# KiCad board ClockIOT.kicad_pcb (continued)
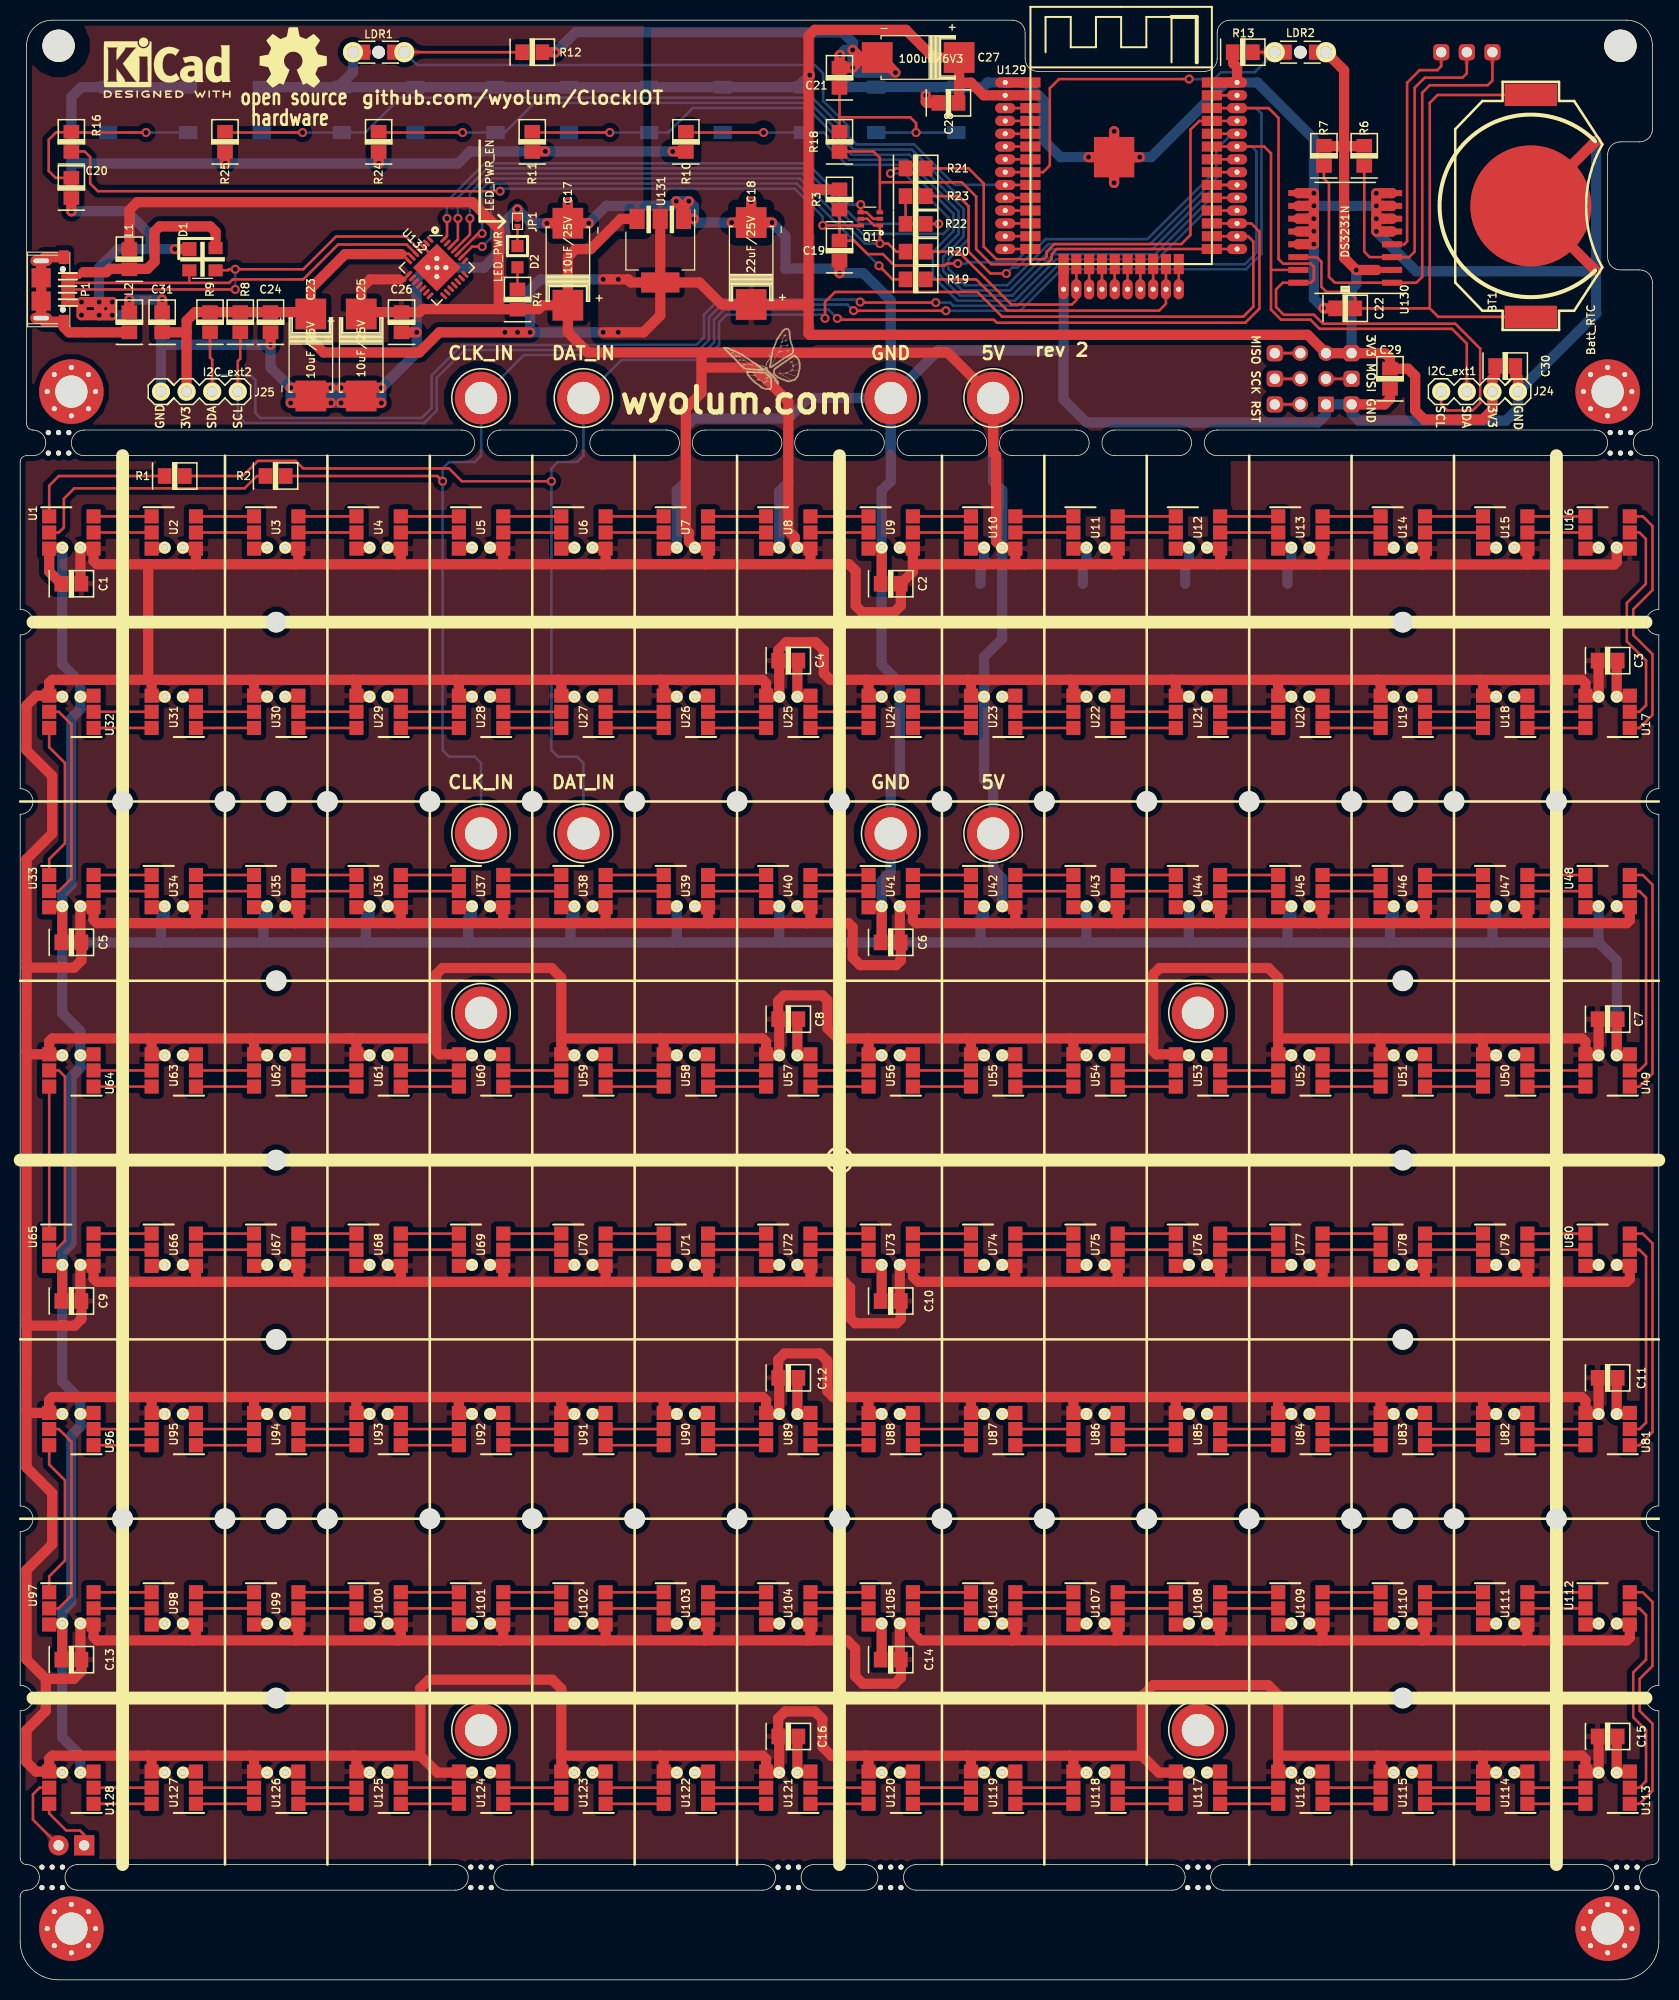
[diagram p0: board, top side]
## Routing (per net, layer and track width the routed paths; a pad name or vN(x,y) marks a point on that pad's centre or on a via; arc(x,y) is an arc through that point) (continued)
  Top w0.254: U103.6 U104.1
Net-(U104-Pad5): length 5.8
  Top w0.254: 84.16,36.83 U104.5
Net-(U104-Pad6): length 5.8
  Top w0.254: U104.6 84.16,38.43
Net-(U105-Pad5): length 5.8
  Top w0.254: U106.2 U105.5
Net-(U105-Pad6): length 5.8
  Top w0.254: U105.6 U106.1
Net-(U106-Pad5): length 5.8
  Top w0.254: U107.2 U106.5
Net-(U106-Pad6): length 5.8
  Top w0.254: U106.6 U107.1
Net-(U107-Pad5): length 5.8
  Top w0.254: U108.2 U107.5
Net-(U107-Pad6): length 5.8
  Top w0.254: U107.6 U108.1
Net-(U108-Pad5): length 5.8
  Top w0.254: U109.2 U108.5
Net-(U108-Pad6): length 5.8
  Top w0.254: U108.6 U109.1
Net-(U109-Pad5): length 5.8
  Top w0.254: U110.2 U109.5
Net-(U109-Pad6): length 5.8
  Top w0.254: U109.6 U110.1
Net-(U110-Pad5): length 5.8
  Top w0.254: 145.12,36.83 U110.5
Net-(U110-Pad6): length 5.8
  Top w0.254: U110.6 145.12,38.43
Net-(U111-Pad5): length 5.8
  Top w0.254: 155.28,36.83 U111.5
Net-(U111-Pad6): length 5.8
  Top w0.254: U111.6 155.28,38.43
Net-(U113-Pad5): length 5.8
  Top w0.254: U114.2 155.28,19.05
Net-(U113-Pad6): length 5.8
  Top w0.254: 155.28,17.45 U114.1
Net-(U114-Pad5): length 5.8
  Top w0.254: U115.2 145.12,19.05
Net-(U114-Pad6): length 5.8
  Top w0.254: 145.12,17.45 U115.1
Net-(U115-Pad5): length 5.8
  Top w0.254: U116.2 U115.5
Net-(U115-Pad6): length 5.8
  Top w0.254: U115.6 U116.1
Net-(U116-Pad5): length 5.8
  Top w0.254: U117.2 U116.5
Net-(U116-Pad6): length 5.8
  Top w0.254: U116.6 U117.1
Net-(U117-Pad5): length 5.8
  Top w0.254: U118.2 U117.5
Net-(U117-Pad6): length 5.8
  Top w0.254: U117.6 U118.1
Net-(U118-Pad5): length 5.8
  Top w0.254: U119.2 U118.5
Net-(U118-Pad6): length 5.8
  Top w0.254: U118.6 U119.1
Net-(U119-Pad5): length 5.8
  Top w0.254: U120.2 U119.5
Net-(U119-Pad6): length 5.8
  Top w0.254: U119.6 U120.1
Net-(U120-Pad5): length 5.8
  Top w0.254: U121.2 84.16,19.05
Net-(U120-Pad6): length 5.8
  Top w0.254: 84.16,17.45 U121.1
Net-(U121-Pad5): length 5.8
  Top w0.254: U122.2 U121.5
Net-(U121-Pad6): length 5.8
  Top w0.254: U121.6 U122.1
Net-(U122-Pad5): length 5.8
  Top w0.254: U123.2 U122.5
Net-(U122-Pad6): length 5.8
  Top w0.254: U122.6 U123.1
Net-(U123-Pad5): length 5.8
  Top w0.254: 47.92,19.05 U123.5
Net-(U123-Pad6): length 5.8
  Top w0.254: U123.6 47.92,17.45
Net-(U124-Pad5): length 5.8
  Top w0.254: U125.2 U124.5
Net-(U124-Pad6): length 5.8
  Top w0.254: U124.6 U125.1
Net-(U125-Pad5): length 5.8
  Top w0.254: U126.2 U125.5
Net-(U125-Pad6): length 5.8
  Top w0.254: U125.6 U126.1
Net-(U126-Pad5): length 5.8
  Top w0.254: U127.2 U126.5
Net-(U126-Pad6): length 5.8
  Top w0.254: U126.6 U127.1
Net-(U127-Pad5): length 5.8
  Top w0.254: U128.2 U127.5
Net-(U127-Pad6): length 5.8
  Top w0.254: U127.6 U128.1

## Copper pours and planes (outline as drawn; the poured copper is in the pictures)
/3V3 on Top: 128.43,161.69 128.78,161.3 129.81,161.02 129.53,162.05 129.14,162.4
/3V3 on Top: 16,158.74 16,158.64 16,158.56 15.99,158.48 15.98,158.4 15.97,158.34 15.96,158.28 15.94,158.23 15.92,158.19 15.9,158.15 15.88,158.12 16.51,157.03 17.14,158.12 17.12,158.15 17.1,158.19 17.08,158.23 17.06,158.28 17.05,158.34 17.04,158.4 17.03,158.48 17.02,158.56 17.02,158.64 17.02,158.74
/3V3 on Top: 130.89,190.5 130.82,190.57 130.76,190.64 130.71,190.71 130.66,190.77 130.63,190.84 130.59,190.9 130.57,190.96 130.55,191.01 130.54,191.07 130.54,191.12 129.19,191.49 129.55,190.14 129.6,190.13 129.66,190.12 129.72,190.1 129.78,190.08 129.84,190.05 129.9,190.01 129.97,189.97 130.03,189.91 130.1,189.85 130.17,189.79
/3V3 on Top: 146.56,156.22 146.56,156.32 146.56,156.4 146.57,156.48 146.58,156.56 146.59,156.62 146.6,156.68 146.62,156.73 146.64,156.77 146.66,156.81 146.68,156.84 146.05,157.93 145.42,156.84 145.44,156.81 145.46,156.77 145.48,156.73 145.5,156.68 145.51,156.62 145.52,156.56 145.53,156.48 145.54,156.4 145.54,156.32 145.54,156.22
/3V3 on Top: 145.54,158.74 145.54,158.64 145.54,158.56 145.53,158.48 145.52,158.4 145.51,158.34 145.5,158.28 145.48,158.23 145.46,158.19 145.44,158.15 145.42,158.12 146.05,157.03 146.68,158.12 146.66,158.15 146.64,158.19 146.62,158.23 146.6,158.28 146.59,158.34 146.58,158.4 146.57,158.48 146.56,158.56 146.56,158.64 146.56,158.74
/3V3 on Top: 133.2,161.8 133.1,161.8 133.02,161.8 132.94,161.8 132.87,161.81 132.81,161.81 132.76,161.82 132.72,161.82 132.69,161.83 132.67,161.84 132.65,161.85 131.68,161.29 132.65,160.73 132.67,160.74 132.69,160.75 132.72,160.76 132.76,160.76 132.81,160.77 132.87,160.77 132.94,160.78 133.02,160.78 133.1,160.78 133.2,160.78
/3V3 on Top: 130.96,160.78 131.06,160.78 131.14,160.78 131.22,160.78 131.29,160.77 131.35,160.77 131.4,160.76 131.44,160.76 131.47,160.75 131.49,160.74 131.51,160.73 132.48,161.29 131.51,161.85 131.49,161.84 131.47,161.83 131.44,161.82 131.4,161.82 131.35,161.81 131.29,161.81 131.22,161.8 131.14,161.8 131.06,161.8 130.96,161.8
/3V3 on Top: 130.61,161.8 130.08,161.82 129.16,161.29 130.08,160.76 130.61,160.78
/3V3 on Top: 127.95,191.01 128.02,191 128.09,190.99 128.16,190.96 128.24,190.92 128.33,190.86 128.42,190.8 128.51,190.73 128.61,190.64 128.72,190.54 128.83,190.44 130.04,191.14 128.83,191.84 128.72,191.73 128.61,191.63 128.51,191.54 128.42,191.47 128.33,191.41 128.24,191.35 128.16,191.31 128.09,191.28 128.02,191.27 127.95,191.26
/3V3 on Top: 62.59,172.61 59.09,172.61 57.34,170.86 57.34,162.61 78.84,162.61 78.84,193.86 62.59,193.86
/3V3 on Bottom: 131.57,162.41 131.57,162.31 131.57,162.23 131.57,162.15 131.56,162.08 131.56,162.02 131.55,161.97 131.55,161.93 131.54,161.9 131.53,161.88 131.52,161.86 132.08,160.89 132.64,161.86 132.63,161.88 132.62,161.9 132.61,161.93 132.61,161.97 132.6,162.02 132.6,162.08 132.59,162.15 132.59,162.23 132.59,162.31 132.59,162.41
/3V3 on Bottom: 33.53,189.74 33.53,189.83 33.54,189.92 33.55,190.01 33.56,190.08 33.58,190.16 33.6,190.22 33.62,190.28 33.65,190.33 33.68,190.38 33.72,190.42 33.02,191.64 32.32,190.42 32.36,190.38 32.39,190.33 32.42,190.28 32.44,190.22 32.46,190.16 32.48,190.08 32.49,190.01 32.5,189.92 32.51,189.83 32.51,189.74
/5V on Top: 92.59,160.06 92.85,159.78 93.07,159.5 93.28,159.2 93.45,158.9 93.6,158.59 93.72,158.26 93.81,157.93 93.87,157.59 93.91,157.23 93.92,156.87 97.44,155.93 96.49,159.44 96.13,159.45 95.78,159.49 95.44,159.56 95.1,159.65 94.78,159.77 94.47,159.92 94.16,160.09 93.87,160.29 93.58,160.52 93.31,160.78
/5V on Top: 97.03,151.79 97.04,152.17 97.08,152.53 97.15,152.88 97.24,153.22 97.36,153.55 97.5,153.86 97.67,154.16 97.87,154.45 98.09,154.72 98.34,154.99 96.52,158.15 94.7,154.99 94.95,154.72 95.17,154.45 95.37,154.16 95.54,153.86 95.68,153.55 95.8,153.22 95.89,152.88 95.96,152.53 96,152.17 96.01,151.79
/5V on Top: -1.16,153.61 -1.16,194.36 162.34,194.36 162.34,153.61
/5V on Top: -1.27,151.77 163.83,151.77 163.83,-0.63 -1.27,-0.63
/5V on Bottom: 96.01,118.11 96,117.85 95.96,117.59 95.89,117.33 95.8,117.07 95.68,116.81 95.54,116.55 95.37,116.29 95.17,116.04 94.95,115.78 94.7,115.52 96.52,112.37 98.34,115.52 98.09,115.78 97.87,116.04 97.67,116.29 97.5,116.55 97.36,116.81 97.24,117.07 97.15,117.33 97.08,117.59 97.04,117.85 97.03,118.11
/5V on Bottom: 97.03,151.79 97.04,152.17 97.08,152.53 97.15,152.88 97.24,153.22 97.36,153.55 97.5,153.86 97.67,154.16 97.87,154.45 98.09,154.72 98.34,154.99 96.52,158.15 94.7,154.99 94.95,154.72 95.17,154.45 95.37,154.16 95.54,153.86 95.68,153.55 95.8,153.22 95.89,152.88 95.96,152.53 96,152.17 96.01,151.79
GND on Top: 148.08,158.74 148.08,158.64 148.08,158.56 148.07,158.48 148.06,158.4 148.05,158.34 148.04,158.28 148.02,158.23 148,158.19 147.98,158.15 147.96,158.12 148.59,157.03 149.22,158.12 149.2,158.15 149.18,158.19 149.16,158.23 149.14,158.28 149.13,158.34 149.12,158.4 149.11,158.48 149.1,158.56 149.1,158.64 149.1,158.74
GND on Top: 133.2,156.72 133.1,156.72 133.02,156.72 132.94,156.72 132.87,156.73 132.81,156.73 132.76,156.74 132.72,156.74 132.69,156.75 132.67,156.76 132.65,156.77 131.68,156.21 132.65,155.65 132.67,155.66 132.69,155.67 132.72,155.68 132.76,155.68 132.81,155.69 132.87,155.69 132.94,155.7 133.02,155.7 133.1,155.7 133.2,155.7
GND on Bottom: 85.85,161.9 85.84,161.52 85.8,161.16 85.73,160.81 85.64,160.47 85.52,160.14 85.38,159.83 85.21,159.53 85.01,159.24 84.79,158.97 84.54,158.7 86.36,155.55 88.18,158.7 87.93,158.97 87.71,159.24 87.51,159.53 87.34,159.83 87.2,160.14 87.08,160.47 86.99,160.81 86.92,161.16 86.88,161.52 86.87,161.9
GND on Bottom: 81.31,156.34 81.68,156.32 82.05,156.28 82.4,156.22 82.74,156.13 83.06,156.01 83.37,155.86 83.68,155.69 83.96,155.5 84.24,155.27 84.5,155.03 87.66,156.85 84.5,158.67 84.24,158.42 83.96,158.19 83.68,158 83.37,157.83 83.06,157.68 82.74,157.56 82.4,157.47 82.05,157.41 81.68,157.37 81.31,157.35
GND on Bottom: 89.57,160.78 89.3,160.52 89.01,160.29 88.72,160.09 88.41,159.92 88.1,159.77 87.78,159.65 87.44,159.56 87.1,159.49 86.75,159.45 86.39,159.44 85.44,155.93 88.96,156.87 88.97,157.23 89.01,157.59 89.07,157.93 89.16,158.26 89.28,158.59 89.43,158.9 89.6,159.2 89.81,159.5 90.03,159.78 90.29,160.06
GND on Bottom: 13.46,158.74 13.46,158.64 13.46,158.56 13.45,158.48 13.44,158.4 13.43,158.34 13.42,158.28 13.4,158.23 13.38,158.19 13.36,158.15 13.34,158.12 13.97,157.03 14.6,158.12 14.58,158.15 14.56,158.19 14.54,158.23 14.52,158.28 14.51,158.34 14.5,158.4 14.49,158.48 14.48,158.56 14.48,158.64 14.48,158.74
GND on Bottom: 149.12,158.73 149.05,158.66 148.99,158.6 148.93,158.55 148.87,158.51 148.82,158.47 148.76,158.44 148.72,158.41 148.67,158.39 148.63,158.38 148.6,158.38 148.27,157.16 149.49,157.49 149.49,157.52 149.5,157.56 149.52,157.61 149.55,157.65 149.58,157.71 149.62,157.76 149.66,157.82 149.71,157.88 149.77,157.94 149.84,158.01
GND on Bottom: 149.1,156.22 149.1,156.32 149.1,156.4 149.11,156.48 149.12,156.56 149.13,156.62 149.14,156.68 149.16,156.73 149.18,156.77 149.2,156.81 149.22,156.84 148.59,157.93 147.96,156.84 147.98,156.81 148,156.77 148.02,156.73 148.04,156.68 148.05,156.62 148.06,156.56 148.07,156.48 148.08,156.4 148.08,156.32 148.08,156.22
GND on Bottom: 130.96,155.7 131.06,155.7 131.14,155.7 131.22,155.7 131.29,155.69 131.35,155.69 131.4,155.68 131.44,155.68 131.47,155.67 131.49,155.66 131.51,155.65 132.48,156.21 131.51,156.77 131.49,156.76 131.47,156.75 131.44,156.74 131.4,156.74 131.35,156.73 131.29,156.73 131.22,156.72 131.14,156.72 131.06,156.72 130.96,156.72
GND on Bottom: 130.61,156.72 130.08,156.74 129.16,156.21 130.08,155.68 130.61,155.7
GND on Bottom: 86.87,109.86 86.88,109.99 86.92,110.15 86.99,110.31 87.08,110.49 87.2,110.68 87.34,110.88 87.51,111.09 87.71,111.32 87.93,111.56 88.18,111.81 86.36,114.97 84.54,111.81 84.79,111.56 85.01,111.32 85.21,111.09 85.38,110.88 85.52,110.68 85.64,110.49 85.73,110.31 85.8,110.15 85.84,109.99 85.85,109.86
GND on Bottom: 85.85,118.11 85.84,117.85 85.8,117.59 85.73,117.33 85.64,117.07 85.52,116.81 85.38,116.55 85.21,116.29 85.01,116.04 84.79,115.78 84.54,115.52 86.36,112.37 88.18,115.52 87.93,115.78 87.71,116.04 87.51,116.29 87.34,116.55 87.2,116.81 87.08,117.07 86.99,117.33 86.92,117.59 86.88,117.85 86.87,118.11
GND on Bottom: -0.66,153.61 -0.66,194.36 99.34,194.36 99.34,188.86 119.09,188.86 119.09,194.36 162.34,194.36 162.34,153.61
GND on Bottom: -0.63,151.77 163.2,151.77 163.2,-0.63 -0.63,-0.63
/CLK_IN on Bottom: 49.85,161.16 49.5,160.83 49.13,160.53 48.75,160.27 48.36,160.05 47.96,159.86 47.54,159.71 47.11,159.59 46.67,159.51 46.21,159.46 45.75,159.44 44.8,155.93 48.32,156.87 48.33,157.34 48.38,157.79 48.46,158.24 48.58,158.67 48.74,159.08 48.92,159.49 49.15,159.88 49.41,160.26 49.7,160.62 50.03,160.98
/CLK_IN on Bottom: 45.59,119.64 45.58,119.15 45.53,118.69 45.44,118.23 45.32,117.8 45.17,117.38 44.98,116.98 44.76,116.59 44.51,116.22 44.22,115.86 43.9,115.52 45.72,112.37 47.54,115.52 47.22,115.86 46.93,116.22 46.68,116.59 46.46,116.98 46.27,117.38 46.12,117.8 46,118.23 45.91,118.69 45.86,119.15 45.85,119.64
/CLK_IN on Bottom: 45.85,151.13 45.86,151.56 45.91,151.99 46,152.4 46.12,152.8 46.27,153.19 46.46,153.57 46.68,153.94 46.93,154.3 47.22,154.65 47.54,154.99 45.72,158.15 43.9,154.99 44.22,154.65 44.51,154.3 44.76,153.94 44.98,153.57 45.17,153.19 45.32,152.8 45.44,152.4 45.53,151.99 45.58,151.56 45.59,151.13
/CLK_OUT on Top: 2.23,14.74 2.34,14.62 2.44,14.49 2.53,14.36 2.61,14.23 2.67,14.09 2.72,13.95 2.76,13.81 2.79,13.66 2.81,13.5 2.81,13.35 4.16,12.98 3.8,14.33 3.64,14.34 3.49,14.36 3.34,14.38 3.19,14.42 3.05,14.48 2.91,14.54 2.78,14.62 2.65,14.7 2.53,14.8 2.41,14.92
/DAT_IN on Bottom: 59.56,160.7 59.29,160.46 59,160.24 58.69,160.05 58.36,159.89 58,159.75 57.63,159.63 57.23,159.55 56.81,159.49 56.37,159.45 55.91,159.44 54.96,155.93 58.48,156.87 58.49,157.33 58.52,157.78 58.58,158.2 58.67,158.59 58.78,158.97 58.92,159.32 59.08,159.65 59.28,159.97 59.49,160.25 59.73,160.52
/DAT_IN on Bottom: 55.75,119.64 55.74,119.15 55.69,118.69 55.6,118.23 55.48,117.8 55.33,117.38 55.14,116.98 54.92,116.59 54.67,116.22 54.38,115.86 54.06,115.52 55.88,112.37 57.7,115.52 57.38,115.86 57.09,116.22 56.84,116.59 56.62,116.98 56.43,117.38 56.28,117.8 56.16,118.23 56.07,118.69 56.02,119.15 56.01,119.64
/DAT_IN on Bottom: 56.01,151.13 56.02,151.56 56.07,151.99 56.16,152.4 56.28,152.8 56.43,153.19 56.62,153.57 56.84,153.94 57.09,154.3 57.38,154.65 57.7,154.99 55.88,158.15 54.06,154.99 54.38,154.65 54.67,154.3 54.92,153.94 55.14,153.57 55.33,153.19 55.48,152.8 55.6,152.4 55.69,151.99 55.74,151.56 55.75,151.13
/LDR1 on Top: 40.21,191.26 40.04,191.27 39.89,191.28 39.73,191.31 39.59,191.35 39.44,191.41 39.31,191.47 39.18,191.54 39.05,191.63 38.93,191.73 38.81,191.84 37.6,191.14 38.81,190.44 38.93,190.54 39.05,190.64 39.18,190.73 39.31,190.8 39.44,190.86 39.59,190.92 39.73,190.96 39.89,190.99 40.04,191 40.21,191.01
/LDR1 on Top: 36.51,191.01 36.58,191 36.65,190.99 36.72,190.96 36.8,190.92 36.89,190.86 36.98,190.8 37.07,190.73 37.17,190.64 37.28,190.54 37.39,190.44 38.6,191.14 37.39,191.84 37.28,191.73 37.17,191.63 37.07,191.54 36.98,191.47 36.89,191.41 36.8,191.35 36.72,191.31 36.65,191.28 36.58,191.27 36.51,191.26
/LDR1 on Bottom: 39.46,189.95 39.39,190.03 39.33,190.12 39.28,190.21 39.23,190.32 39.19,190.43 39.15,190.55 39.13,190.68 39.11,190.82 39.1,190.97 39.1,191.12 37.75,191.49 38.11,190.14 38.27,190.13 38.41,190.12 38.55,190.11 38.68,190.08 38.8,190.05 38.92,190.01 39.02,189.96 39.12,189.9 39.21,189.84 39.29,189.77
/LDR2 on Top: 122.35,191.01 122.52,191 122.67,190.99 122.83,190.96 122.97,190.92 123.12,190.86 123.25,190.8 123.38,190.73 123.51,190.64 123.63,190.54 123.75,190.44 124.96,191.14 123.75,191.84 123.63,191.73 123.51,191.63 123.38,191.54 123.25,191.47 123.12,191.41 122.97,191.35 122.83,191.31 122.67,191.28 122.52,191.27 122.35,191.26
/LDR2 on Top: 126.05,191.26 125.98,191.27 125.91,191.28 125.84,191.31 125.76,191.35 125.67,191.41 125.58,191.47 125.49,191.54 125.39,191.63 125.28,191.73 125.17,191.84 123.96,191.14 125.17,190.44 125.28,190.54 125.39,190.64 125.49,190.73 125.58,190.8 125.67,190.86 125.76,190.92 125.84,190.96 125.91,190.99 125.98,191 126.05,191.01
/LDR2 on Top: 122.35,191.01 122.52,191 122.67,190.99 122.83,190.96 122.97,190.92 123.12,190.86 123.25,190.8 123.38,190.73 123.51,190.64 123.63,190.54 123.75,190.44 124.96,191.14 123.75,191.84 123.63,191.73 123.51,191.63 123.38,191.54 123.25,191.47 123.12,191.41 122.97,191.35 122.83,191.31 122.67,191.28 122.52,191.27 122.35,191.26
/LDR2 on Bottom: 123.06,189.55 123.18,189.67 123.3,189.77 123.43,189.85 123.56,189.93 123.7,189.99 123.84,190.05 123.99,190.09 124.14,190.11 124.29,190.13 124.45,190.14 124.81,191.49 123.46,191.12 123.46,190.97 123.44,190.81 123.41,190.66 123.37,190.52 123.32,190.38 123.26,190.24 123.18,190.11 123.09,189.98 122.99,189.85 122.88,189.73
/LDR2 on Bottom: 123.06,189.55 123.18,189.67 123.3,189.77 123.43,189.85 123.56,189.93 123.7,189.99 123.84,190.05 123.99,190.09 124.14,190.11 124.29,190.13 124.45,190.14 124.81,191.49 123.46,191.12 123.46,190.97 123.44,190.81 123.41,190.66 123.37,190.52 123.32,190.38 123.26,190.24 123.18,190.11 123.09,189.98 122.99,189.85 122.88,189.73
/MISO on Top: 126.08,161.42 125.96,161.42 125.84,161.43 125.73,161.46 125.61,161.49 125.51,161.53 125.4,161.57 125.3,161.63 125.21,161.69 125.12,161.77 125.03,161.85 124.06,161.29 125.03,160.73 125.12,160.81 125.21,160.89 125.3,160.95 125.4,161.01 125.51,161.05 125.61,161.09 125.73,161.12 125.84,161.15 125.96,161.16 126.08,161.16
/MISO on Top: 125.47,161.16 125.58,161.16 125.7,161.15 125.8,161.13 125.91,161.1 126.01,161.06 126.11,161.02 126.2,160.96 126.29,160.9 126.37,160.83 126.46,160.76 127.38,161.29 126.46,161.82 126.37,161.75 126.29,161.68 126.2,161.62 126.11,161.56 126.01,161.52 125.91,161.48 125.8,161.45 125.7,161.43 125.58,161.42 125.47,161.42
/MOSI on Top: 130.46,158.62 130.58,158.62 130.7,158.61 130.81,158.58 130.93,158.55 131.03,158.51 131.14,158.47 131.24,158.41 131.33,158.35 131.42,158.27 131.51,158.19 132.48,158.75 131.51,159.31 131.42,159.23 131.33,159.15 131.24,159.09 131.14,159.03 131.03,158.99 130.93,158.95 130.81,158.92 130.7,158.89 130.58,158.88 130.46,158.88
/MOSI on Top: 131.07,158.88 130.96,158.88 130.84,158.89 130.74,158.91 130.63,158.94 130.53,158.98 130.43,159.02 130.34,159.08 130.25,159.14 130.17,159.21 130.08,159.28 129.16,158.75 130.08,158.22 130.17,158.29 130.25,158.36 130.34,158.42 130.43,158.48 130.53,158.52 130.63,158.56 130.74,158.59 130.84,158.61 130.96,158.62 131.07,158.62
/RST on Top: 126.08,156.34 125.96,156.34 125.84,156.35 125.73,156.38 125.61,156.41 125.51,156.45 125.4,156.49 125.3,156.55 125.21,156.61 125.12,156.69 125.03,156.77 124.06,156.21 125.03,155.65 125.12,155.73 125.21,155.81 125.3,155.87 125.4,155.93 125.51,155.97 125.61,156.01 125.73,156.04 125.84,156.07 125.96,156.08 126.08,156.08
/RST on Top: 125.47,156.08 125.58,156.08 125.7,156.07 125.8,156.05 125.91,156.02 126.01,155.98 126.11,155.94 126.2,155.88 126.29,155.82 126.37,155.75 126.46,155.68 127.38,156.21 126.46,156.74 126.37,156.67 126.29,156.6 126.2,156.54 126.11,156.48 126.01,156.44 125.91,156.4 125.8,156.37 125.7,156.35 125.58,156.34 125.47,156.34
/rtc_ds3231/32kHz on Top: 146.18,189.51 146.18,189.63 146.19,189.75 146.22,189.87 146.25,189.98 146.29,190.09 146.33,190.19 146.39,190.29 146.45,190.39 146.53,190.48 146.61,190.56 146.05,191.54 145.49,190.56 145.57,190.48 145.65,190.39 145.71,190.29 145.77,190.19 145.81,190.09 145.85,189.98 145.88,189.87 145.91,189.75 145.92,189.63 145.92,189.51
/rtc_ds3231/RESET on Top: 141.1,189.75 141.1,189.82 141.11,189.9 141.14,189.98 141.17,190.07 141.21,190.15 141.25,190.23 141.31,190.31 141.37,190.4 141.45,190.48 141.53,190.56 140.97,191.54 140.41,190.56 140.49,190.48 140.57,190.4 140.63,190.31 140.69,190.23 140.73,190.15 140.77,190.07 140.8,189.98 140.83,189.9 140.84,189.82 140.84,189.75
/rtc_ds3231/SQR on Top: 143.64,189.51 143.64,189.63 143.65,189.75 143.68,189.87 143.71,189.98 143.75,190.09 143.79,190.19 143.85,190.29 143.91,190.39 143.99,190.48 144.07,190.56 143.51,191.54 142.95,190.56 143.03,190.48 143.11,190.39 143.17,190.29 143.23,190.19 143.27,190.09 143.31,189.98 143.34,189.87 143.37,189.75 143.38,189.63 143.38,189.51
/RXD0 on Bottom: 119.67,182.32 119.81,182.37 119.95,182.41 120.07,182.44 120.19,182.47 120.3,182.49 120.4,182.52 120.49,182.53 120.57,182.54 120.65,182.55 120.72,182.55 120.9,183.23 120.22,183.05 120.21,182.98 120.19,182.92 120.16,182.87 120.11,182.81 120.04,182.75 119.96,182.7 119.87,182.65 119.76,182.6 119.63,182.55 119.49,182.5
/RXD0 on Bottom: 119.67,182.32 119.81,182.37 119.95,182.41 120.07,182.44 120.19,182.47 120.3,182.49 120.4,182.52 120.49,182.53 120.57,182.54 120.65,182.55 120.72,182.55 120.9,183.23 120.22,183.05 120.21,182.98 120.19,182.92 120.16,182.87 120.11,182.81 120.04,182.75 119.96,182.7 119.87,182.65 119.76,182.6 119.63,182.55 119.49,182.5
/SCK on Top: 126.08,158.88 125.96,158.88 125.84,158.89 125.73,158.92 125.61,158.95 125.51,158.99 125.4,159.03 125.3,159.09 125.21,159.15 125.12,159.23 125.03,159.31 124.06,158.75 125.03,158.19 125.12,158.27 125.21,158.35 125.3,158.41 125.4,158.47 125.51,158.51 125.61,158.55 125.73,158.58 125.84,158.61 125.96,158.62 126.08,158.62
/SCK on Top: 125.47,158.62 125.58,158.62 125.7,158.61 125.8,158.59 125.91,158.56 126.01,158.52 126.11,158.48 126.2,158.42 126.29,158.36 126.37,158.29 126.46,158.22 127.38,158.75 126.46,159.28 126.37,159.21 126.29,159.14 126.2,159.08 126.11,159.02 126.01,158.98 125.91,158.94 125.8,158.91 125.7,158.89 125.58,158.88 125.47,158.88
/SCL on Top: 21.46,159.35 21.46,159.2 21.44,159.06 21.42,158.93 21.38,158.8 21.34,158.68 21.28,158.56 21.22,158.44 21.14,158.33 21.06,158.22 20.96,158.12 21.59,157.03 22.22,158.12 22.12,158.22 22.04,158.33 21.96,158.44 21.9,158.56 21.84,158.68 21.8,158.8 21.76,158.93 21.74,159.06 21.72,159.2 21.72,159.35
/SCL on Bottom: 21.72,155.61 21.72,155.76 21.74,155.9 21.76,156.03 21.8,156.16 21.84,156.28 21.9,156.4 21.96,156.52 22.04,156.63 22.12,156.74 22.22,156.84 21.59,157.93 20.96,156.84 21.06,156.74 21.14,156.63 21.22,156.52 21.28,156.4 21.34,156.28 21.38,156.16 21.42,156.03 21.44,155.9 21.46,155.76 21.46,155.61
/SDA on Top: 18.92,159.35 18.92,159.2 18.9,159.06 18.88,158.93 18.84,158.8 18.8,158.68 18.74,158.56 18.68,158.44 18.6,158.33 18.52,158.22 18.42,158.12 19.05,157.03 19.68,158.12 19.58,158.22 19.5,158.33 19.42,158.44 19.36,158.56 19.3,158.68 19.26,158.8 19.22,158.93 19.2,159.06 19.18,159.2 19.18,159.35
/SDA on Top: 143.38,159.35 143.38,159.2 143.36,159.06 143.34,158.93 143.3,158.8 143.26,158.68 143.2,158.56 143.14,158.44 143.06,158.33 142.98,158.22 142.88,158.12 143.51,157.03 144.14,158.12 144.04,158.22 143.96,158.33 143.88,158.44 143.82,158.56 143.76,158.68 143.72,158.8 143.68,158.93 143.66,159.06 143.64,159.2 143.64,159.35

Small or netless copper shapes (teardrops, artwork), in the pictures only: 80 on Top, 51 on Bottom

## Text on the board
B.Adhes: EN | MODE | DEC | INC | ENTER | WyoLum Clocks : Worduino > ClockTWO > ClockTHREE > ClockTHREEjr > ClockFOUR > Chromogram > ClockIOT | BOOT | ClockIOT
B.Mask: EN | MODE | DEC | INC | ENTER | WyoLum Clocks : Worduino > ClockTWO > ClockTHREE > ClockTHREEjr > ClockFOUR > Chromogram > ClockIOT | BOOT | ClockIOT
B.SilkS: NC | IO0 | GND | SW_I | IO23 | TXD0 | SW_E | RXD0 | SW_D | SW_M | DAT_IN | CLK_IN | IO22/SCL | IO21/SDA | CONNECT MOAR / LEDS HERE | DAT|CLK | SENSOR_VP | SENSOR_VN | LDR1 | LDR2 | IO34 | IO35 | IO25 | IO26 | IO27 | IO14 | IO12 | 3V3 | EN | GND / 3V3 / SDA / SCL | IO2 | IO15 | SDI | SDO | CLK | CMD | SD3 | SD2 | IO13 | open source | hardware | To avoid damaging tracks, do not snap off. / Use hacksaw to separate boards if required. | CONTROLLER section can be cut off and / mounted behind LED MATRIX using metal / posts at 5V | GND | DAT_IN | CLK_IN | 5V | CONTROLLER | LED MATRIX | github.com/wyolum/ClockIOT | rev 2 | wyolum.com
F.Adhes: ClockIOT
F.Mask: ClockIOT
F.SilkS: GND / 3V3 / SDA / SCL | MISO SCK RST | 3V3 MOSI GND | hardware | open source | CLK_IN | DAT_IN | GND | 5V | github.com/wyolum/ClockIOT | rev 2 | wyolum.com
